# KiCad board pcb.kicad_pcb (continued)
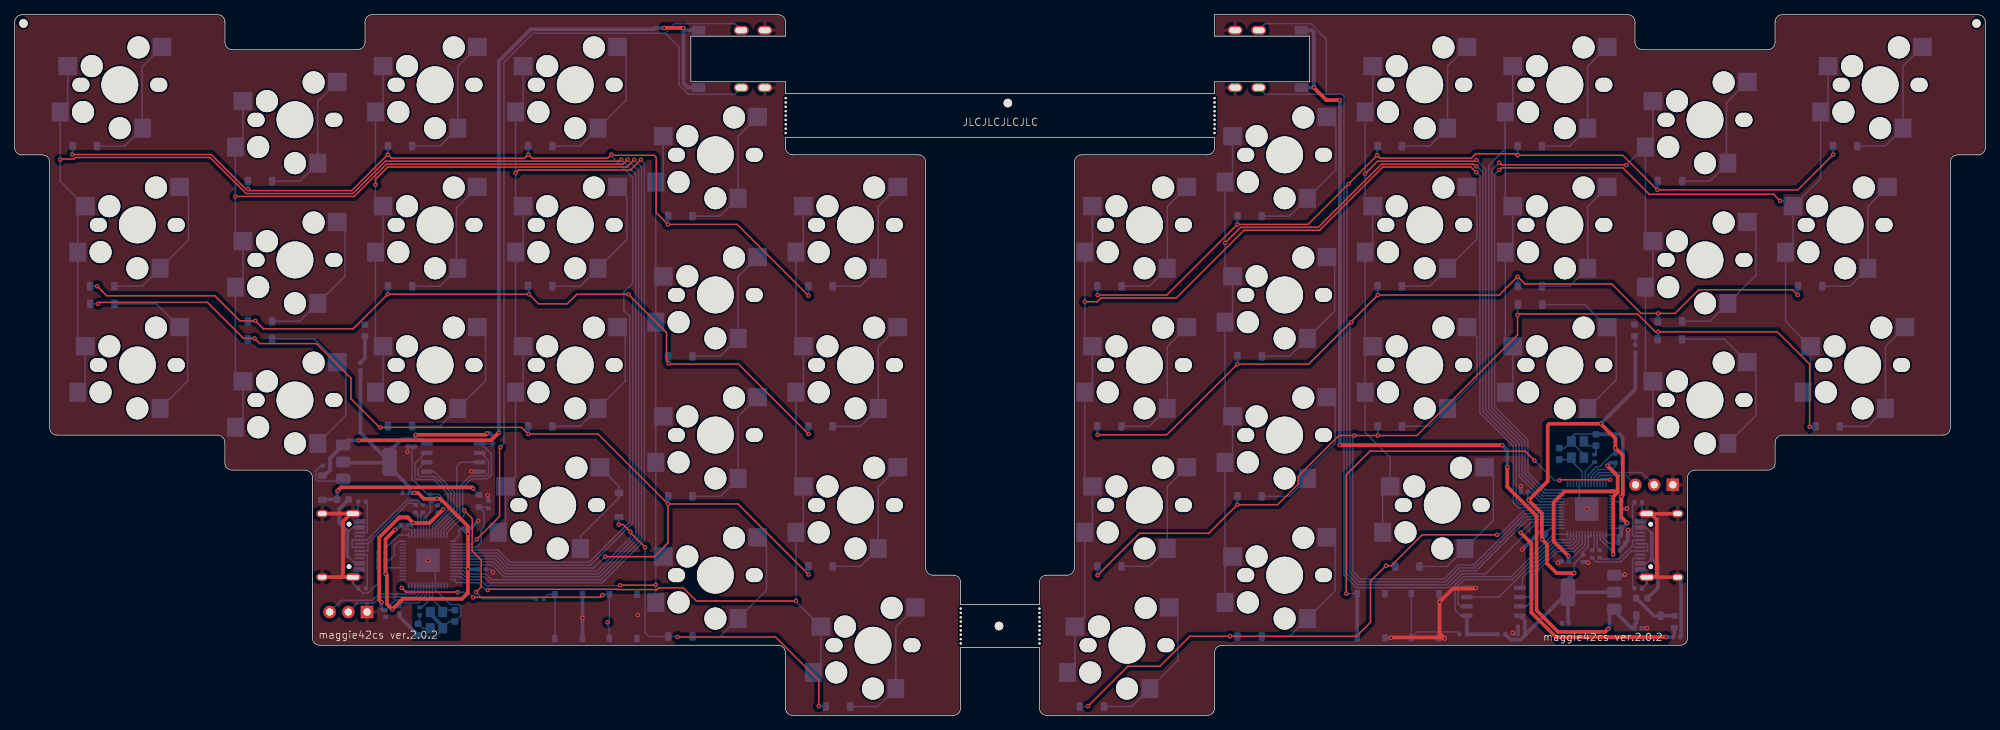
[diagram p0: board, top side]
## Nets (continued)
Net-(J2-CC1): J2.A5 R1.1
Net-(J2-CC2): J2.B5 R2.1
Net-(J3-Pin_2): J3.2 U2.24
Net-(J3-Pin_3): J3.3 U2.25
Net-(J5-CC1): J5.A5 R9.1
Net-(J5-CC2): J5.B5 R10.1
Net-(J6-Pin_2): J6.2 U5.24
Net-(J6-Pin_3): J6.3 U5.25
Net-(R18-Pad2): R18.2 SMDSW2.2
Net-(R20-Pad2): R20.2 SMDSW4.2
Net-(SD1-A): F1.2 R4.1 SD1.2
Net-(SD2-A): F2.2 R11.1 SD2.2
Net-(STLED1-A): R3.1 STLED1.2
Net-(STLED2-A): R12.1 STLED2.2
Net-(U2-RUN): SMDSW1.2 U2.26
Net-(U2-USB_DM): R7.2 U2.46
Net-(U2-USB_DP): R6.2 U2.47
Net-(U2-XIN): C14.2 U2.20 Y1.1
Net-(U2-XOUT): R8.2 U2.21
Net-(U5-RUN): SMDSW3.2 U5.26
Net-(U5-USB_DM): R15.2 U5.46
Net-(U5-USB_DP): R14.2 U5.47
Net-(U5-XIN): C29.2 U5.20 Y2.1
Net-(U5-XOUT): R16.2 U5.21

Pads without a net: J2 A8 B8; J5 A8 B8; U2 15 16 17 18 27 28 29 30 31 32 34 35 36 37 38 39 40 41; U5 15 16 17 18 27 28 29 30 31 32 34 35 36 37 38 39 40 41

## Via types
v1: diameter 0.6, hole 0.3, Top to Bottom, 144 vias

## Routing (per net, layer and track width the routed paths; a pad name or vN(x,y) marks a point on that pad's centre or on a via; arc(x,y) is an arc through that point)
+1V1: length 35.7
  Top w0.5: v1(49.86,15.38) 49.56,15.67 49.56,24.19 52.31,26.94 53.39,26.94 v1(54.19,26.14) 56.38,26.14 v1(58.25,28)
  Bottom w0.2: C5.1 53.73,25.88 54.39,25.23 U2.45 ; U2.50 56.39,25.86 57.49,26.96 C4.1 ; C3.1 50.41,14.34 51.76,15.69 54.68,15.69 55.59,16.59 U2.23
  Bottom w0.5: C4.1 57.82,27.58 v1(58.25,28) ; v1(49.86,15.38) 49.86,14.49 50.03,14.32 C3.1 ; C5.1 53.93,25.88 v1(54.19,26.14)
+3V3: length 126.5
  Top w0.5: v1(54.51,38.14) 64.01,38.14 v1(64.21,38.34) ; v1(51.71,25.24) 50.41,23.94 v1(50.41,19.24) 50.61,19.04 50.61,15.14 v1(51.34,14.41) 52.76,15.84 60.81,15.84 61.61,16.64 61.61,19.84 v1(61.64,19.86) 61.64,24.64 v1(61.6,24.67) 61.6,25.71 57.87,29.44 v1(57.41,29.44) 55.61,29.44 54.81,30.24 v1(54.31,30.24)
  Bottom w0.2: C8.1 50.39,22.52 50.41,22.54 50.41,22.74 52.18,24.5 U2.43 ; 53.99,24.5 53.99,25.06 53.79,25.26 53.11,25.26 C6.1 ; C10.1 56.51,27.63 56.07,27.18 ; U2.1 60.41,24.45 60.41,25.24 60.61,25.44 C13.1 ; U2.10 61.44,20.06 v1(61.64,19.86) ; 50.4,20.1 C9.1 50.39,20.06 U2.33 ; U2.42 52.22,23.66 51.61,23.06 51.61,21.74 50.95,21.08 C12.1 ; 56.07,27.18 55.99,27.1 55.99,24.5 ; 56.07,27.18 55.59,26.7 U2.48 ; 55.99,17.62 55.99,16.43 54.85,15.29 52.76,15.29 52.31,14.84 C7.1
  Bottom w0.5: C31.2 52.57,37.5 50.96,35.89 U1.2 ; C31.2 54.41,38.04 v1(54.51,38.14) ; C31.2 55.46,37.5 U3.8 ; v1(64.21,38.34) 64.62,38.34 R17.2 ; C6.1 51.84,25.24 v1(51.71,25.24) ; v1(61.6,24.67) 61.03,25.25 C13.1 ; v1(61.64,19.86) 61.66,19.84 C11.1 ; v1(51.34,14.41) 51.74,14.82 C7.1 ; v1(50.41,19.24) 50.41,20.04 C9.1 50.37,21.06 C12.1 C8.1 ; U1.2 50.96,33.74 53.69,31.01 C2.1 v1(54.31,30.24) ; U1.2 47.01,38.39 R3.2 ; U1.2 50.86,34.34 44.76,34.34 U1.2 ; v1(57.41,29.44) 57.2,29.44 56.82,29.06 C10.1
+5V: length 117.4
  Top w0.5: v1(46.76,37.39) 64.76,37.39 v1(65.81,38.44) ; v1(88.29,93.46) 90.89,93.46 v1(90.91,93.44)
  Bottom w0.2: 90.91,93.19 v1(90.91,93.44) ; J1.T 92.36,85.34
  Bottom w0.5: v1(88.29,93.46) 87.06,93.46 86.88,93.29 70.16,93.29 65.81,88.94 v1(65.81,38.44) ; v1(46.76,37.39) 45.31,37.39 U1.3 42.87,34.95 C1.1 42.87,33.35 42.11,32.59 ; J1.T 91.51,85.34 90.91,85.94 v1(90.91,93.44) 91.21,93.14 J1.T
GND: length 94.5
  Top w0.5: J2.S1 J2.S1 45.72,27.42 44.63,26.33 44.63,18.97 44.81,18.78 J2.S1 J2.S1
  Bottom w0.2: 46.14,27.58 J2.S1 ; J2.S1 46.7,28.14 R2.2 ; J2.S1 46.9,26.51 J2.A12 ; 57.49,28.54 58.01,29.07 58.01,29.69 57.66,30.04 56.53,30.04 C10.2 56.14,30.02 54.01,32.14 54.01,36.14 C31.1 ; 56.49,13.64 Y1.4 ; C1.2 41.63,33.94 40.91,33.22 40.91,32.14 41.21,31.84 44.36,31.84 U1.1 ; C15.1 54.99,10.74 57.29,10.74 58.19,11.64 Y1.2 ; C32.1 v1(53.41,35.84) ; Y1.2 58.19,11.94 ; Y1.2 59.11,12.76 C14.1 60.61,13.54 60.61,14.84 60.39,15.06 59.22,15.06 57.19,17.09 U2.19 57.19,20.06 v1(56.19,21.06) ; C6.2 52.18,26.84 49.43,24.1 C8.2 ; v1(65.01,19.44) 64.61,19.84 C11.2 ; J2.A1 45.98,18.94 J2.S1 45.98,17.96 R1.2 47.32,16.62 48.04,16.62 49.41,17.99 C9.2
  Bottom w0.5: 57.47,28.56 57.49,28.54 ; C5.2 C6.2 ; 58.19,11.94 58.19,12.07 56.62,13.64 56.49,13.64 ; SMDSW2.1 v1(77.19,13.24) SMDSW2.1 ; U3.4 62.12,33.13 v1(62.11,33.14) ; C9.2 49.43,20.1 C12.2 C8.2 ; C31.1 53.43,36.54 C32.1 ; C7.2 52.31,13.41 C15.1 ; v1(64.31,29.94) 64.31,29.25 R5.2 ; C13.2 62.01,25.44 v1(63.01,26.44)
  vias: v1(84.71,13.64)
VBUS: length 12.7
  Bottom w0.2: 45.21,24.79 45.97,25.55 J2.A9 ; J2.A4 46.26,20.65 45.41,21.5
  Bottom w0.5: F1.1 44.11,28.05 44.11,26.16 45.21,25.06 45.21,21.7 45.41,21.5
VBUSR: length 13.5
  Bottom w0.2: 222.48,24.8 221.74,25.54 J5.A4 ; J5.A9 221.89,20.64 222.45,21.2
  Bottom w0.5: F2.1 223.38,17.32 223.38,20.45 222.54,21.29 ; 222.54,21.29 222.45,21.2 ; 222.54,21.29 222.54,24.74 222.48,24.8
COL0: length 207.4
  Top w0.2: v1(6.19,75.54) 6.29,75.64 8.06,75.64 8.26,75.84 26.56,75.84 31.46,70.94 45.98,70.94 50.38,75.34 82.26,75.34 v1(82.46,75.54)
  Bottom w0.2: SW1.1 7.2,83.04 SW1.1 6.19,72.61 SW7.1 9.58,69.11 8.57,68.09 SW7.1 8.57,51.18 SW13.1 9.58,44.94 SW13.1 ; U2.8 65.05,20.86 66.69,19.22 79.35,19.22 81.66,21.54 81.68,21.54 84.41,24.27 84.41,73.59 v1(82.46,75.54)
COL1: length 181.9
  Top w0.2: v1(30,70.54) 46.14,70.54 50.54,74.94 82.71,74.94 v1(83.31,75.54)
  Bottom w0.2: v1(83.31,75.54) 84.81,74.04 84.81,24.1 81.85,21.14 81.83,21.14 79.51,18.82 66.53,18.82 64.89,20.46 59.62,20.46 ; SW2.1 31.01,78.28 SW2.1 v1(30,70.54) 30,65.47 SW8.1 31.01,59.23 SW8.1 30,46.42 31.01,45.4 31.01,40.18 SW14.1
COL2: length 163.8
  Top w0.2: v1(84.21,75.54) 83.21,74.54 50.71,74.54 49.05,72.88 v1(49.05,72.14)
  Bottom w0.2: SW15.1 50.06,44.94 SW15.1 49.05,51.18 SW9.1 50.06,63.99 SW9.1 49.05,70.23 SW3.1 50.06,83.04 SW3.1 ; U2.11 60.99,19.66 61.42,19.23 64.01,19.23 64.82,18.42 79.7,18.42 85.21,23.94 85.21,74.54 v1(84.21,75.54)
COL3: length 165.1
  Top w0.2: v1(85.11,75.54) 83.71,74.14 68.5,74.14 v1(68.1,73.74)
  Bottom w0.2: 59.62,19.26 60.82,19.26 61.26,18.83 63.85,18.83 64.65,18.02 79.87,18.02 85.61,23.77 85.61,75.04 v1(85.11,75.54) ; SW19.1 66.73,25.89 SW19.1 68.1,32.48 SW16.1 69.11,44.94 SW16.1 68.1,51.18 SW10.1 69.11,63.99 SW10.1 68.1,70.23 v1(68.1,73.74) SW4.1 69.11,83.04 SW4.1
COL4: length 94.4
  Top w0.2: v1(87.15,17.74) 87.1,17.69 v1(82.28,17.69)
  Bottom w0.2: v1(82.28,17.69) 82.21,17.62 64.12,17.62 63.31,18.43 61.09,18.43 60.66,18.86 U2.13 ; SW20.1 v1(87.15,17.74) 87.15,20.17 88.16,21.19 SW20.1 87.15,22.6 SW17.1 87.15,39.27 88.16,40.29 SW17.1 87.15,41.66 SW11.1 87.15,58.27 88.16,59.29 SW11.1 87.15,60.7 SW5.1 88.16,73.51 SW5.1
COL5: length 115.4
  Top w0.2: v1(64.31,17.02) 64.43,17.14 81.98,17.14 82.03,17.09 87.35,17.09 87.6,17.34 90.88,17.34 92.68,15.54 v1(106.2,15.54)
  Bottom w0.2: v1(64.31,17.02) 64.02,17.02 63.01,18.03 60.06,18.03 59.62,18.46 ; SW6.1 107.21,63.99 SW6.1 106.2,51.18 SW12.1 107.21,44.94 SW12.1 106.2,32.13 SW18.1 107.21,25.89 SW18.1 v1(106.2,15.54) 106.2,15.46 SW21.1 109.6,6.84 SW21.1
CONN: length 121.8
  Top w0.2: v1(66.01,36.44) 65.91,36.34 65.91,27.04 v1(62.81,23.94)
  Bottom w0.2: 88.41,92.74 70.46,92.74 66.51,88.79 66.51,36.94 v1(66.01,36.44) ; 88.41,92.74 89.71,94.04 97.88,94.04 J1.R ; 88.41,92.74 90.31,90.84 90.31,85.74 91.61,84.44 97.88,84.44 J1.R ; v1(62.81,23.94) 62.14,23.26 59.62,23.26
D+: length 14.2
  Bottom w0.2: J2.A6 45.92,22.85 45.87,22.9 45.87,23.8 45.92,23.85 J2.B6 47.91,23.85 53.3,29.24 54.85,29.24 55.49,28.6 55.61,28.6
D-: length 12.1
  Bottom w0.2: 48.01,23.39 48.01,22.49 47.87,22.35 J2.B7 ; 48.01,23.39 53.46,28.84 54.25,28.84 54.49,28.6 54.55,28.6 ; 48.01,23.39 47.98,23.35 J2.A7
QSPI_SCLK: length 14.5
  Bottom w0.2: U2.52 57.19,25.53 59.31,27.66 59.31,30.27 57.11,32.47 55.08,32.47 54.81,32.74 54.81,33.44 55.77,34.4 U3.6
QSPI_SD0: length 11.6
  Bottom w0.2: U3.5 57.02,33.13 59.71,30.44 59.71,27.49 57.59,25.37 U2.53
QSPI_SD1: length 15.5
  Bottom w0.2: U3.2 63.38,35.67 64.41,34.64 64.41,32.89 64.05,32.53 61.91,32.53 60.51,31.14 60.51,27.16 58.39,25.03 U2.55
QSPI_SD2: length 13.6
  Bottom w0.2: 57.99,24.5 57.99,25.2 60.11,27.32 60.11,33.9 60.62,34.4 U3.3
QSPI_SD3: length 16
  Bottom w0.2: 56.79,24.5 56.79,25.7 58.91,27.82 58.91,30.11 56.95,32.07 54.65,32.07 54.41,32.31 54.41,34.24 55.84,35.67 U3.7
QSPI_SS: length 39.9
  Top w0.2: v1(61.11,27.84) 62.2,26.75 62.2,24.43 62.19,24.41 62.19,22.36 63.41,21.14 63.41,17.44 v1(62.71,16.74)
  Bottom w0.2: v1(62.71,16.74) 63.61,15.84 R18.1 ; 58.79,24.5 58.79,24.87 61.11,27.19 v1(61.11,27.84) 60.91,28.04 60.91,30.97 62.07,32.13 64.22,32.13 64.81,32.73 64.81,35.51 63.38,36.94 U3.1 63.23,36.93 R17.1
r+1V1: length 45.9
  Top w0.5: 217.91,30.3 217.77,30.44 210.71,30.44 209.21,28.94 209.21,23.66 v1(211.21,21.66) ; 217.91,30.3 217.31,29.7 v1(217.31,21.86) ; 217.91,30.3 217.91,32.54 v1(216.51,33.94)
  Bottom w0.2: U5.23 214.31,32.51 215.22,33.41 217.09,33.41 217.63,33.96 C19.1 ; U5.45 215.51,23.97 217.05,22.44 C21.1 ; U5.50 213.51,23.16 C18.1
  Bottom w0.5: C18.1 211.21,21.02 v1(211.21,21.66) ; C21.1 217.31,22.36 v1(217.31,21.86) ; C19.1 216.91,34.34 v1(216.51,33.94)
r+3V3: length 122.1
  Top w0.5: v1(219.21,26.14) 218.41,26.94 v1(218.41,29.74) 218.61,29.94 218.61,35.34 v1(217.61,36.34) 217.61,37.64 v1(215.61,39.64) 208.61,39.64 208.41,39.44 208.41,31.84 v1(205.81,29.24) 207.61,27.44 207.61,23.94 v1(207.64,23.91) 208.31,23.24 208.31,20.64 209.61,19.34 v1(212.01,19.34)
  Bottom w0.2: C28.1 208.79,25.44 U5.1 ; U5.49 213.91,24.04 ; 213.91,24.04 213.91,24.2 U5.48 ; 213.91,24.04 213.91,22.94 213.21,22.24 C23.1 212.01,20.62 v1(212.01,19.34) ; U5.33 218.39,29.04 C20.1 ; U5.22 213.91,32.67 215.05,33.81 215.49,33.81 217.21,35.54 C26.1 ; U5.42 218.31,25.44 C24.1 ; C22.1 216.61,23.44 215.91,24.14 U5.44 ; C27.1 216.38,24.54 U5.43 ; v1(205.81,29.24) 205.69,29.36 C25.1 206.1,30.34 207.4,29.04 U5.10
  Bottom w0.5: C34.2 205.29,10.82 204.75,10.28 203.39,10.28 R19.2 ; C34.2 205.46,11.04 U4.2 ; C34.2 205.31,11.06 C33.2 205.31,12.83 U6.8 ; C17.1 211.16,12.69 U4.2 ; v1(219.21,26.14) 218.61,25.54 C24.1 218.41,24.62 C27.1 218.01,24.22 C22.1 ; C28.1 208.19,24.47 v1(207.64,23.91) ; U4.2 U4.2 ; U4.2 211.16,18.49 v1(212.01,19.34) ; v1(217.61,36.34) 217.61,35.56 C26.1 ; v1(215.61,39.64) 220.31,44.34 R12.2 ; v1(218.41,29.74) C20.1
r+5V: length 128.6
  Top w0.5: v1(180.11,83.64) 178.31,83.64 v1(176.61,85.34) ; v1(180.11,36.74) v1(202.21,36.74) ; v1(202.91,33.74) 202.91,31.08 206.89,27.1 206.89,14.26 209.81,11.34 216.21,11.34 v1(216.61,11.74)
  Bottom w0.5: SD2.1 220.46,12.59 220.21,12.34 C16.1 219.81,11.84 217.46,14.19 U4.3 216.81,13.79 216.81,11.94 v1(216.61,11.74) ; J4.T 176.31,93.14 176.61,92.84 v1(176.61,85.34) J4.T ; v1(202.21,36.74) 202.91,36.04 v1(202.91,33.74) ; v1(180.11,83.64) 180.16,83.59 180.16,36.79 v1(180.11,36.74)
rCOL0: length 181.4
  Top w0.2: v1(198.71,73.84) 198.66,73.84 197.96,74.54 185.98,74.54 177.38,65.94 167.11,65.94 157.91,56.74 147.66,56.74 147.16,56.24 v1(145.49,56.24)
  Bottom w0.2: v1(198.71,73.84) 199.19,73.36 199.19,41.13 203.71,36.61 203.71,28.97 204.45,28.24 U5.8 ; SW40.1 144.12,6.84 SW40.1 145.49,13.43 SW34.1 146.51,25.89 SW34.1 145.49,32.13 SW28.1 146.51,44.94 SW28.1 145.49,51.18 v1(145.49,56.24) SW22.1 146.51,63.99 SW22.1
rCOL1: length 159.2
  Top w0.2: v1(198.71,74.64) 198.56,74.64 198.26,74.94 185.81,74.94 177.21,66.34 166.66,66.34 v1(164.55,64.23)
  Bottom w0.2: v1(198.71,74.64) 198.76,74.64 199.59,73.81 199.59,41.3 204.11,36.77 204.11,29.14 204.61,28.64 U5.9 ; SW23.1 165.56,73.51 SW23.1 164.54,64.24 v1(164.55,64.23) 164.55,60.69 SW29.1 165.56,54.46 SW29.1 164.54,41.66 SW35.1 165.56,35.41 SW35.1 164.54,22.6 SW41.1 165.56,21.19 164.54,20.18 SW41.1
rCOL2: length 135.6
  Top w0.2: v1(183.59,73.64) 185.29,75.34 198.56,75.34 v1(198.71,75.49)
  Bottom w0.2: SW42.1 185.97,29.95 186.99,30.96 SW42.1 186.99,35.06 183.59,38.46 SW36.1 183.59,48.83 184.61,49.84 SW36.1 183.59,51.18 SW30.1 184.61,63.99 SW30.1 183.59,70.23 v1(183.59,73.64) SW24.1 184.61,83.04 SW24.1 ; U5.11 207.57,29.44 204.51,32.49 204.51,36.94 199.99,41.46 199.99,74.22 v1(198.71,75.49)
rCOL3: length 105.1
  Bottom w0.2: SW25.1 203.66,83.04 SW25.1 ; SW25.1 202.64,70.23 SW31.1 203.66,63.99 SW31.1 202.64,51.18 SW37.1 203.66,44.94 SW37.1 ; SW25.1 202.64,77.01 200.39,74.76 200.39,41.63 204.91,37.11 204.91,32.66 207.73,29.84 U5.12
rCOL4: length 118.1
  Top w0.2: v1(201.81,75.14) 202.11,74.84 219.06,74.84 v1(219.09,74.81)
  Bottom w0.2: SW38.1 222.71,40.18 222.71,45.4 221.69,46.42 SW32.1 222.71,59.23 SW32.1 221.69,65.47 SW26.1 ; SW26.1 222.71,78.28 SW26.1 ; SW26.1 221.54,77.26 v1(219.09,74.81) ; U5.13 207.9,30.24 205.31,32.82 205.31,37.27 200.79,41.79 200.79,74.12 v1(201.81,75.14)
rCOL5: length 139.6
  Top w0.2: v1(201.81,74.14) 202.11,74.44 218.62,74.44 222.22,70.84 239.11,70.84 v1(240.01,69.94)
  Bottom w0.2: SW33.1 241.03,69.94 v1(240.01,69.94) ; SW33.1 241.76,63.99 SW33.1 240.74,53.56 SW39.1 244.14,44.94 SW39.1 ; SW33.1 245.5,72.96 SW27.1 246.52,83.04 SW27.1 ; v1(201.81,74.14) 201.19,73.52 201.19,41.96 205.71,37.44 205.71,32.99 208.06,30.64 U5.14
rCONN: length 128.9
  Bottom w0.2: J4.R 170.01,84.44 178.31,84.44 ; U5.2 206.56,25.84 199.96,19.24 196.73,19.24 194.83,17.34 182.45,17.34 180.71,19.07 180.71,84.14 180.41,84.44 178.31,84.44 ; J4.R 170.01,94.04 176.19,94.04 178.31,91.92 178.31,84.44
rD+: length 10.3
  Bottom w0.2: R14.1 215,20.86 218.31,20.86 219.79,22.34 J5.B6 221.86,22.34 221.99,22.47 221.99,23.29 221.94,23.34 J5.A6
rD-: length 8.2
  Bottom w0.2: 219.94,23.06 219.94,23.79 219.99,23.84 J5.B7 ; 219.94,23.06 220.16,22.84 J5.A7 ; 219.94,23.06 218.14,21.26 215.65,21.26 R15.1
rGND: length 91.5
  Top w0.5: J5.S1 J5.S1 222.91,18.77 223.24,19.09 223.24,26.6 222.43,27.41 J5.S1 J5.S1 ; v1(187.11,10.54) 187.16,10.59 194.26,10.59 v1(194.41,10.44) 193.71,11.14 v1(193.71,15.44) 195.51,17.24 198.51,17.24 v1(198.61,17.34)
  Bottom w0.2: v1(213.71,28.04) 212.71,29.04 U5.19 ; Y2.4 213.33,35.44 211.62,37.14 Y2.2 ; Y2.2 210.7,36.31 C29.1 ; Y2.2 211.62,37.79 212.08,38.24 214.95,38.24 C30.1 ; R9.2 221.22,28.07 J5.S1 220.97,26.49 J5.A1 ; J5.A12 220.97,19.68 J5.S1 221.88,17.9 R10.2
  Bottom w0.5: C24.2 C20.2 219.08,28.06 v1(219.16,28.14) ; U4.1 218.81,19.04 v1(218.91,19.14) ; SMDSW4.1 193.71,10.44 v1(194.41,10.44) ; C30.1 218.14,38.21 218.59,37.76 C26.2 C19.2 ; C16.2 v1(221.91,11.84) ; C18.2 210.01,20.94 v1(209.81,20.74) ; SMDSW4.1 193.71,16.44 v1(193.71,15.44) ; J5.S1 226.54,18.29 226.54,10.76 R13.2 ; v1(203.61,11.24) 203.81,11.04 C34.1 204.35,11.06 C33.1 ; v1(213.91,20.74) 213.79,20.86 C23.2 ; v1(204.71,31.14) 204.73,31.12 C25.2 ; U6.4 198.61,17.34 v1(198.61,17.34) ; v1(204.91,22.54) 207.21,24.84 C28.2 ; v1(219.34,25.21) 219.29,25.16 C27.2 219.29,23.76 C22.2 218.97,23.22 C21.2 ; v1(187.11,10.54) SMDSW3.1
ROW0: length 203.3
  Top w0.2: v1(107.91,57.04) 98.21,66.74 v1(88.81,66.74) 87.21,68.34 87.21,75.84 86.91,76.14 81.21,76.14 v1(81.11,76.24) 80.61,75.74 70.31,75.74 v1(69.81,76.24) 69.31,75.74 51.21,75.74 v1(50.71,76.24) 45.81,71.34 31.91,71.34 v1(31.71,71.54) 31.43,71.54 26.73,76.24 v1(7.81,76.24)
  Bottom w0.2: D5.1 88.81,67.84 v1(88.81,66.74) ; v1(107.91,57.04) 107.91,58.32 D6.1 ; v1(31.71,71.54) 31.71,72.6 D2.1 ; v1(50.71,76.24) 50.71,77.37 50.74,77.39 ; D1.1 7.88,76.3 v1(7.81,76.24) ; 69.79,77.39 69.81,77.37 v1(69.81,76.24) ; 59.62,22.46 65.72,22.46 67.35,20.82 78.12,20.82 83.61,26.32 83.61,54.24 82.81,55.04 82.81,57.54 84.01,58.74 84.01,73.14 81.11,76.04 v1(81.11,76.24)
ROW1: length 177.4
  Top w0.2: v1(11.21,58.34) 12.51,57.04 27.21,57.04 30.61,53.64 v1(32.71,53.64) 33.81,52.54 46.01,52.54 v1(50.71,57.24) v1(69.91,57.24) 71.21,55.94 75.11,55.94 76.41,57.24 v1(83.41,57.24) 88.61,52.04 88.61,48.14 v1(88.91,47.84) 89.01,47.74 98.41,47.74 v1(107.91,38.24)
  Bottom w0.2: D7.1 10.26,58.34 v1(11.21,58.34) ; v1(69.91,57.24) 69.91,58.22 69.79,58.34 ; D8.1 32.65,53.58 v1(32.71,53.64) ; v1(107.91,38.24) 107.91,39.27 D12.1 ; U2.5 65.55,22.06 67.19,20.42 78.28,20.42 84.01,26.15 84.01,56.64 v1(83.41,57.24) ; D11.1 88.91,48.74 v1(88.91,47.84) ; 50.74,58.34 50.71,58.32 v1(50.71,57.24)
ROW2: length 156.5
  Top w0.2: v1(80.28,21.57) 86.95,21.57 88.81,23.44 v1(88.81,28.74) ; v1(88.81,28.74) 79.31,38.24 v1(69.81,38.24) 68.91,39.14 v1(49.71,39.14) 49.61,39.14 45.71,43.04 45.71,45.84 41.01,50.54 33.31,50.54 v1(32.61,51.24) 31.11,51.24 26.21,56.14 11.51,56.14 v1(11.31,55.94) ; v1(88.81,28.74) 98.31,28.74 v1(107.91,19.14)
  Bottom w0.2: D14.1 31.79,51.24 v1(32.61,51.24) ; v1(107.91,19.14) 107.91,20.22 D18.1 ; U2.6 65.38,21.66 67.02,20.02 78.7,20.02 80.25,21.57 v1(80.28,21.57) ; 69.79,39.29 69.81,39.27 v1(69.81,38.24) ; D17.1 88.81,29.74 v1(88.81,28.74) ; v1(11.31,55.94) D13.1 ; v1(49.71,39.14) 50.58,39.14 50.74,39.29
ROW3: length 75.8
  Top w0.2: v1(82.11,25.94) 82.71,25.94 v1(83.71,24.94) 83.71,24.82 v1(85.7,22.84) ; v1(90.11,10.64) 103.43,10.64 109.31,4.76 v1(109.31,1.24)
  Bottom w0.2: v1(82.11,25.94) 82.11,26.88 D19.1 ; v1(109.31,1.24) 110.22,1.24 D21.1 ; v1(90.11,10.64) 90.03,10.72 D20.1 86.23,10.72 85.7,11.25 v1(85.7,22.84) ; v1(83.71,24.94) 83.71,24.16 79.18,19.62 66.86,19.62 65.22,21.26 59.62,21.26
rQSPI_SCLK: length 14
  Bottom w0.2: U5.52 212.71,23.57 211.81,22.66 209.5,22.66 206.01,19.17 206.01,16.24 205.85,16.07 U6.6
rQSPI_SD0: length 11.8
  Bottom w0.2: U6.5 204.95,17.68 204.95,18.68 209.33,23.06 211.64,23.06 212.31,23.73 U5.53
rQSPI_SD1: length 22.3
  Bottom w0.2: U6.2 196.55,14.8 196.21,15.14 196.21,17.59 197.06,18.44 203.58,18.44 209,23.86 211.31,23.86 211.51,24.07 U5.55
rQSPI_SD2: length 18.4
  Bottom w0.2: U5.54 211.91,23.9 211.47,23.46 209.17,23.46 201.78,16.07 U6.3
rQSPI_SD3: length 15.2
  Bottom w0.2: U6.7 205.48,14.8 206.41,15.74 206.41,19.01 209.67,22.26 211.97,22.26 213.11,23.4 U5.51
rQSPI_SS: length 30.2
  Bottom w0.2: U6.1 196.61,13.53 195.81,14.33 195.81,17.75 196.9,18.84 203.41,18.84 209.18,24.6 U5.56
  Bottom w0.5: R19.1 197.41,11.04 U6.1
rROW0: length 206.1
  Top w0.2: v1(147.21,57.14) 156.61,57.14 v1(166.21,66.74) 175.81,66.74 v1(181.31,72.24) v1(185.21,76.14) 185.61,75.74 198.01,75.74 198.61,76.34 204.11,76.34 v1(204.31,76.14) 218.61,76.14 v1(223.31,71.44) 242.41,71.44 v1(247.21,76.24)
  Bottom w0.2: U5.4 205.66,26.64 198.66,19.64 196.57,19.64 194.67,17.74 182.61,17.74 181.11,19.24 181.11,72.04 v1(181.31,72.24) ; D23.1 166.21,67.85 v1(166.21,66.74) ; v1(185.21,76.14) 185.21,77.32 D24.1 ; v1(247.21,76.24) 247.21,77.37 D27.1 ; D25.1 204.31,77.38 v1(204.31,76.14) ; v1(223.31,71.44) 223.31,72.56 D26.1 ; D22.1 147.18,57.17 v1(147.21,57.14)
rROW1: length 182
  Top w0.2: v1(147.21,38.14) 156.61,38.14 v1(166.21,47.74) 175.91,47.74 181.61,53.44 v1(181.71,53.44) 181.71,53.54 v1(185.31,57.14) 201.81,57.14 v1(204.31,59.64) 205.31,58.64 217.11,58.64 221.11,54.64 v1(223.41,54.64) 225.71,54.64 228.94,57.86 241.69,57.86 v1(242.41,57.14)
  Bottom w0.2: D32.1 223.38,54.6 v1(223.41,54.64) ; D30.1 185.31,58.31 v1(185.31,57.14) ; v1(242.41,57.14) 242.41,58.32 D33.1 ; v1(204.31,59.64) 204.33,59.62 D31.1 ; v1(181.71,53.44) 181.51,53.24 181.51,19.4 182.78,18.14 194.5,18.14 196.4,20.04 198.5,20.04 205.5,27.04 U5.5 ; v1(147.21,38.14) 147.18,38.17 D28.1 ; v1(166.21,47.74) 166.21,48.8 D29.1
rROW2: length 183
  Top w0.2: v1(147.21,19.04) 152.91,24.74 162.31,24.74 v1(166.21,28.64) 171.69,28.64 174.49,31.43 174.49,32.52 180.01,38.04 v1(182.11,38.04) v1(185.31,38.04) 190.62,38.04 204.31,51.73 v1(204.31,54.44) 204.43,54.55 220.63,54.55 223.05,52.14 v1(223.41,52.14) 239.61,52.14 244.01,47.74 v1(244.01,39.24)
  Bottom w0.2: U5.6 205.33,27.44 198.33,20.44 196.23,20.44 194.33,18.54 182.94,18.54 181.91,19.57 181.91,37.84 v1(182.11,38.04) ; D39.1 244.76,39.24 v1(244.01,39.24) ; v1(204.31,54.44) 204.31,55.79 D37.1 ; D35.1 166.21,29.75 v1(166.21,28.64) ; D38.1 223.41,51.19 v1(223.41,52.14) ; v1(147.21,19.04) 147.18,19.07 D34.1 ; v1(185.31,38.04) 185.31,39.26 D36.1
rROW3: length 82.1
  Top w0.2: v1(201.51,24.54) 191.35,24.54 187.15,20.34 v1(186.41,20.34) 184.31,18.24 184.31,12.64 182.41,10.74 v1(165.21,10.74) 159.76,10.74 155.7,6.67 151.35,6.67 v1(145.91,1.24)
  Bottom w0.2: v1(165.21,10.74) 166.21,10.74 D41.1 ; U5.7 205.17,27.84 201.87,24.54 v1(201.51,24.54) ; v1(145.91,1.24) 145.87,1.19 D40.1 ; D42.1 187.56,20.34 v1(186.41,20.34)
rUSB: length 39.5
  Top w0.5: v1(204.71,24.84) 206.19,23.36 206.19,13.97 209.52,10.64 v1(224.51,10.64)
  Bottom w0.2: U5.3 206.11,26.24 v1(204.71,24.84)
  Bottom w0.5: R11.2 225.61,10.86 R13.1 v1(224.51,10.64)
USB: length 10.7
  Bottom w0.2: U2.3 62.74,22.86 63.41,23.54 63.41,25.24 63.81,25.64 63.81,27.61 63.11,28.31 64.23,28.31 R5.1
Net-(C15-Pad2): length 3.2
  Bottom w0.2: R8.1 55.04,12.64 C15.2 55.44,11.84 Y1.3
Net-(C30-Pad2): length 3.2
  Bottom w0.2: R16.1 214.97,35.65 C30.2 213.9,36.66 Y2.3
Net-(D1-A): length 19.4
  Bottom w0.2: SW1.2 17.31,88.15 17.31,79.9 SW1.2 14.95,77.39 D1.2
Net-(D2-A): length 19.4
  Bottom w0.2: SW2.2 41.2,83.46 SW2.2 38.77,72.63 D2.2
Net-(D3-A): length 19.4
  Bottom w0.2: D3.2 57.82,77.39 SW3.2 60.25,88.22 SW3.2
Net-(D4-A): length 20.4
  Bottom w0.2: D4.2 76.87,77.39 SW4.2 83.11,83.64 83.11,89.69 81.92,90.88 SW4.2
Net-(D5-A): length 19.4
  Bottom w0.2: 92.14,67.87 95.92,67.87 SW5.2 98.35,78.72 100.97,81.35 SW5.2
Net-(D6-A): length 19.4
  Bottom w0.2: SW6.2 120.02,71.82 117.4,69.2 SW6.2 114.97,58.34 D6.2
Net-(D7-A): length 20.4
  Bottom w0.2: D7.2 17.33,58.34 SW7.2 23.61,64.62 23.61,70.61 22.39,71.82 SW7.2
Net-(D8-A): length 20.3
  Bottom w0.2: SW8.2 43.82,67.06 44.91,65.97 44.91,59.73 SW8.2 38.77,53.58 D8.2
Net-(D9-A): length 19.5
  Bottom w0.2: D9.2 57.82,58.34 SW9.2 60.05,60.97 60.05,68.98 SW9.2
Net-(D10-A): length 20.4
  Bottom w0.2: D10.2 76.87,58.34 SW10.2 83.21,64.69 83.21,70.56 SW10.2
Net-(D11-A): length 19.4
  Bottom w0.2: 92.14,48.82 95.92,48.82 SW11.2 98.35,59.65 SW11.2
Net-(D12-A): length 19.4
  Bottom w0.2: SW12.2 120.02,52.77 117.4,50.15 SW12.2 114.97,39.29 D12.2
Net-(D13-A): length 23.2
  Bottom w0.2: SW13.2 23.51,45.47 23.51,51.68 SW13.2 19.26,55.94 D13.2
Net-(D14-A): length 23.3
  Bottom w0.2: D14.2 40.72,51.14 SW14.2 43.82,48.01 45.01,46.82 45.01,40.78 SW14.2
Net-(D15-A): length 20.3
  Bottom w0.2: SW15.2 64.01,51.66 64.01,45.49 SW15.2 57.82,39.29 D15.2
Net-(D16-A): length 20.2
  Bottom w0.2: SW16.2 83,51.72 83,45.42 SW16.2 76.87,39.29 D16.2
Net-(D17-A): length 19.4
  Bottom w0.2: 92.14,29.77 95.92,29.77 SW17.2 98.35,40.62 100.97,43.25 SW17.2
Net-(D18-A): length 19.4
  Bottom w0.2: D18.2 114.97,20.24 SW18.2 117.4,31.07 SW18.2
Net-(D19-A): length 14.3
  Bottom w0.2: SW19.2 82.15,31.14 D19.2 82.15,29.57 76.92,24.34 SW19.2
Net-(D20-A): length 20.4
  Bottom w0.2: 92.14,10.72 95.92,10.72 SW20.2 102.21,17.01 102.21,22.96 100.97,24.2 SW20.2
Net-(D21-A): length 19.4
  Bottom w0.2: SW21.2 119.78,12.02 SW21.2 117.35,1.19 D21.2
Net-(D22-A): length 19.4
  Bottom w0.2: SW22.2 156.69,69.17 SW22.2 154.26,58.34 D22.2
Net-(D23-A): length 20.4
  Bottom w0.2: SW23.2 179.61,80.13 179.61,74.17 SW23.2 173.31,67.87 D23.2
Net-(D24-A): length 19.4
  Bottom w0.2: SW24.2 197.42,90.88 194.79,88.25 SW24.2 192.36,77.39 D24.2
Net-(D25-A): length 19.4
  Bottom w0.2: SW25.2 216.47,90.88 213.84,88.25 SW25.2 211.41,77.39 D25.2
Net-(D26-A): length 19.5
  Bottom w0.2: SW26.2 232.71,83.28 232.71,75.24 SW26.2 230.46,72.63 D26.2
Net-(D27-A): length 19.4
  Bottom w0.2: SW27.2 259.33,90.88 256.7,88.25 SW27.2 254.27,77.39 D27.2
Net-(D28-A): length 19.4
  Bottom w0.2: SW28.2 156.69,50.12 SW28.2 154.26,39.29 D28.2
Net-(D29-A): length 20.3
  Bottom w0.2: D29.2 173.31,48.82 SW29.2 179.44,54.95 179.44,61.22 178.37,62.3 SW29.2
Net-(D30-A): length 20.5
  Bottom w0.2: SW30.2 198.79,70.47 198.79,64.77 SW30.2 192.36,58.34 D30.2
Net-(D31-A): length 19.4
  Bottom w0.2: D31.2 211.41,58.34 SW31.2 213.84,69.17 SW31.2
Net-(D32-A): length 20.4
  Bottom w0.2: D32.2 230.46,53.58 SW32.2 236.71,59.83 236.71,65.87 235.52,67.06 SW32.2
Net-(D33-A): length 19.4
  Bottom w0.2: D33.2 249.51,58.34 SW33.2 251.94,69.2 254.57,71.82 SW33.2
Net-(D34-A): length 19.4
  Bottom w0.2: SW34.2 156.69,31.07 SW34.2 154.26,20.24 D34.2
Net-(D35-A): length 20.3
  Bottom w0.2: SW35.2 179.51,42.13 179.51,36.99 175.74,33.21 SW35.2 173.31,29.77 D35.2
Net-(D36-A): length 20.5
  Bottom w0.2: SW36.2 197.42,52.77 198.79,51.4 198.79,45.72 SW36.2 192.36,39.29 D36.2
Net-(D37-A): length 23.3
  Bottom w0.2: D37.2 213.43,55.84 SW37.2 216.47,52.77 217.71,51.53 217.71,45.6 SW37.2
Net-(D38-A): length 23.3
  Bottom w0.2: D38.2 232.42,51.14 SW38.2 236.71,46.84 236.71,40.78 SW38.2
Net-(D39-A): length 19.4
  Bottom w0.2: SW39.2 254.32,50.12 SW39.2 251.89,39.29 D39.2
Net-(D40-A): length 20.3
  Bottom w0.2: D40.2 151.88,1.19 SW40.2 158.11,7.43 158.11,13.52 SW40.2
Net-(D41-A): length 20.3
  Bottom w0.2: D41.2 173.31,10.72 SW41.2 179.51,16.92 179.51,23.08 SW41.2
Net-(D42-A): length 20.4
  Bottom w0.2: D42.2 194.74,20.24 SW42.2 201.01,26.52 201.01,32.53 SW42.2
Net-(J2-CC1): length 5.7
  Bottom w0.2: R1.1 47.92,17.44 47.92,21.8 47.87,21.85 J2.A5
Net-(J2-CC2): length 5.2
  Bottom w0.2: R2.1 47.92,28.84 47.92,24.95 47.82,24.85 J2.B5
Net-(J3-Pin_2): length 11.8
  Bottom w0.2: U2.24 55.19,16.76 54.52,16.09 49.66,16.09 48.81,15.24 46.55,15.24 J3.2
Net-(J3-Pin_3): length 13.9
  Bottom w0.2: J3.3 44.41,15.64 48.65,15.64 49.5,16.49 54.35,16.49 54.79,16.93 54.79,17.62
Net-(J5-CC1): length 5.6
  Bottom w0.2: J5.A5 220.16,24.34 219.94,24.56 219.94,28.68 R9.1
Net-(J5-CC2): length 5.2
  Bottom w0.2: R10.1 219.94,17.5 219.94,21.24 220.04,21.34 J5.B5
Net-(J6-Pin_2): length 10
  Bottom w0.2: J6.2 221.2,33.01 215.38,33.01 214.71,32.34 U5.24
Net-(J6-Pin_3): length 6.6
  Bottom w0.2: U5.25 215.11,32.17 215.55,32.61 219.06,32.61 J6.3
Net-(R18-Pad2): length 7.8
  Bottom w0.2: SMDSW2.2 SMDSW2.2 72.52,16.44 R18.2
Net-(R20-Pad2): length 13
  Bottom w0.2: R20.2 196.1,11.34 190.66,11.34 SMDSW4.2 SMDSW4.2
Net-(SD1-A): length 22.8
  Top w0.5: v1(43.91,30.54) 44.36,30.99 62.16,30.99 v1(62.31,30.84)
  Bottom w0.2: v1(62.31,30.84) 62.31,30.76 R4.1
  Bottom w0.5: 42.11,29.29 42.16,29.34 F1.2 43.82,30.45 v1(43.91,30.54)
Net-(SD2-A): length 6.2
  Bottom w0.5: F2.2 222.83,13.54 SD2.2 R11.1
Net-(STLED1-A): length 3.8
  Bottom w0.5: R3.1 47.61,48.55 STLED1.2
Net-(STLED2-A): length 1.2
  Bottom w0.2: R12.1 220.31,51.45 STLED2.2
Net-(U2-RUN): length 37.8
  Top w0.2: v1(79.91,16.34) 79.61,16.04 v1(62.31,16.04) ; 80.56,12.59 v1(80.61,12.64) ; v1(52.61,17.34) 53.2,16.75 60.2,16.75 v1(60.21,16.74)
  Bottom w0.2: v1(60.21,16.74) 61.61,16.74 v1(62.31,16.04) ; SMDSW1.2 80.84,11.91 80.61,12.14 v1(80.61,12.64) 80.84,12.86 SMDSW1.2 80.01,16.44 v1(79.91,16.34) ; v1(52.61,17.34) 53.06,16.89 54.18,16.89 54.39,17.09 U2.26
Net-(U2-USB_DM): length 3.2
  Bottom w0.2: 54.79,24.5 54.79,27.28 R7.2
Net-(U2-USB_DP): length 3.2
  Bottom w0.2: R6.2 55.19,27.28 U2.47
Net-(U2-XIN): length 5.9
  Bottom w0.2: C14.2 58.46,14.31 Y1.1 58.19,14.38 56.79,15.77 56.79,17.62
Net-(U2-XOUT): length 3.7
  Bottom w0.2: R8.2 55.31,14.65 56.39,15.72 U2.21
Net-(U5-RUN): length 64.6
  Top w0.2: v1(206.61,34.64) 205.34,35.91 184.23,35.91 181.01,32.69 v1(181.01,16.54) ; v1(216.89,32.01) 210.09,32.01 v1(210.01,31.94)
  Bottom w0.2: v1(181.01,16.54) SMDSW3.2 ; v1(206.61,34.64) 209.31,31.94 v1(210.01,31.94) ; v1(216.89,32.01) 216.69,32.21 215.72,32.21 215.51,32.01 U5.26
  Bottom w0.5: SMDSW3.2 SMDSW3.2
Net-(U5-USB_DM): length 2.3
  Bottom w0.2: U5.46 215.11,22.81 R15.2
Net-(U5-USB_DP): length 2.3
  Bottom w0.2: R14.2 214.71,22.7 U5.47
Net-(U5-XIN): length 6
  Bottom w0.2: Y2.1 211.62,34.94 ; Y2.1 211.35,34.76 C29.2 ; Y2.1 211.62,34.59 213.11,33.1 U5.20
Net-(U5-XOUT): length 3.5
  Bottom w0.2: U5.21 213.51,33.16 R16.2

## Copper pours and planes (outline as drawn; the poured copper is in the pictures)
GND on Top, Bottom: 0,95.25 0,76.2 4.76,38.1 40.48,9.52 104.78,0 128.59,0 128.59,19.05 123.83,76.2 104.78,77.39 104.78,95.25
rGND on Top, Bottom: 267.89,95.25 267.89,76.2 263.13,38.1 239.32,33.34 227.41,9.52 163.12,0 139.3,0 139.3,19.05 144.07,76.2 163.12,77.39 163.12,95.25

## Text on the board
F.Silkscreen: maggie42cs ver.2.0.2 | JLCJLCJLCJLC
